# KiCad board FD.02-01-2021.kicad_pcb (continued)
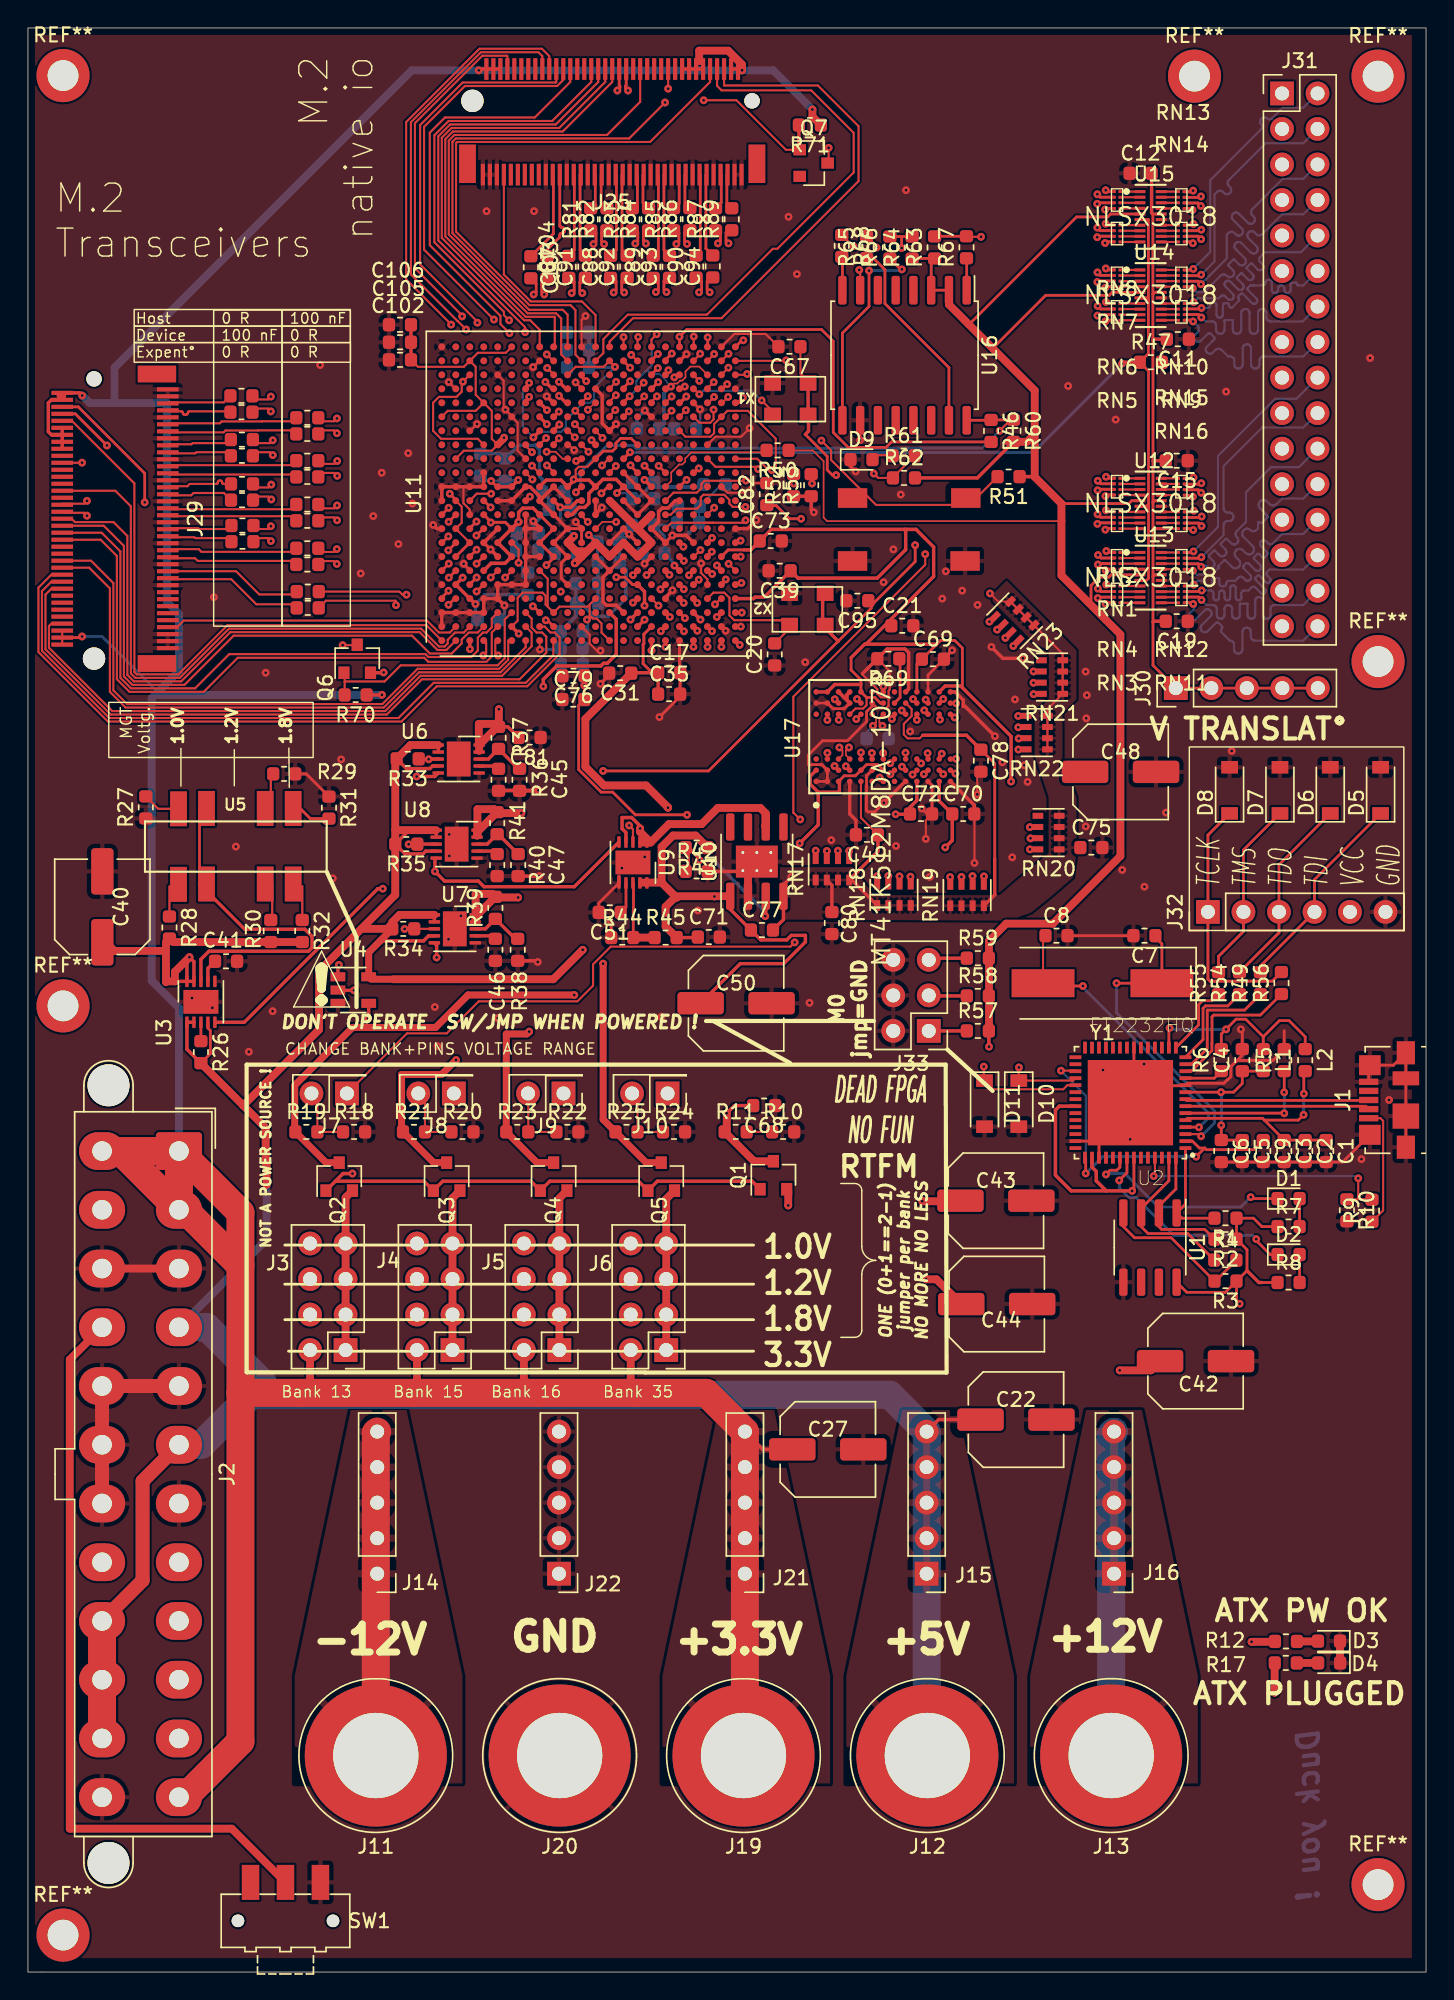
[diagram p0: board, top side]
## Routing (per net, layer and track width the routed paths; a pad name or vN(x,y) marks a point on that pad's centre or on a via; arc(x,y) is an arc through that point) (continued)
FLASH_CONFIG_CLK: length 37.7
  Top w0.15: 70.29,110.99 v1(69.5,110.2)
  Top w0.2: U16.16 68.47,110.95 ; 68.5,110.97 70.09,110.97
  Top w0.21: U11.L12 v1(39.2,105.8)
  B.Cu_GND_DDR w0.15: v1(69.5,110.2) 68.25,108.95 68.05,108.95
  B.Cu_GND_DDR w0.2: 68.05,108.95 43.48,108.95 43.29,109.14 43.05,109.14
  B.Cu_GND_DDR w0.21: 43.05,109.14 41.41,109.14 39.37,107.1 39.52,106.95 39.52,106.12 v1(39.2,105.8)
FLASH_CONFIG_CS: length 27.3
  Top w0.15: v1(59.46,121.7) 59.53,121.63 U16.7
  Top w0.21: v1(45.08,113.68) U11.T19
  In2.Cu_SigDDR w0.15: v1(59.46,121.7) 59.46,119.57 58.51,118.62 52.01,118.62 52.01,118.63 46.79,118.63 45.45,117.29 45.45,116.91 44.6,116.06 44.6,115.57 43.29,114.25 42.79,114.25 42.61,114.07 42.61,113.52 42.95,113.18 44.58,113.18 v1(45.08,113.68)
FLASH_CONFIG_IO_0: length 23.3
  Top w0.15: v1(60.7,123.3) 60.7,123.41 R65.2 ; U11.P22 v1(42.6,116.9)
  In2.Cu_SigDDR w0.15: v1(60.7,123.3) 60.03,123.3 55.85,119.12 52.22,119.12 52.22,119.13 45.97,119.13 44.26,117.42 44.26,116.85 43.87,116.45 43.05,116.45 v1(42.6,116.9)
FLASH_CONFIG_IO_1: length 20.1
  Top w0.15: R68.1 59.02,123.4 v1(59.05,123.4) ; v1(43.65,116.91) 43.6,116.86 U11.R22
  In2.Cu_SigDDR w0.15: v1(43.65,116.91) 43.65,117.16 45.86,119.38 54.57,119.38 58.59,123.4 v1(59.05,123.4)
FLASH_CONFIG_IO_2: length 26.7
  Top w0.2: R64.2 62.5,124.09 ; 62.5,124.09 62.49,124.08 v1(62.49,123.26) ; 62.5,124.09 R66.2 ; 42.6,115.18 v1(43.07,114.71)
  In2.Cu_SigDDR w0.15: v1(43.07,114.71) 43.61,115.25 43.61,115.61 44.51,116.51 44.51,117.32 46.07,118.88 52.11,118.88 52.12,118.87 55.96,118.87 59.24,122.16 60.39,122.16 61.49,123.26 v1(62.49,123.26)
FLASH_CONFIG_IO_3: length 32.4
  Top w0.15: v1(68.17,124.07) 67.17,124.07 ; 43.58,115.2 v1(43.15,115.63)
  Top w0.2: R67.2 64.86,124.11
  In4.Cu_SigDDR w0.15: v1(68.17,124.07) 62.33,118.23 46.77,118.23 44.26,115.72 43.24,115.72 v1(43.15,115.63)
FPGA-CLK-100: length 6.6
  Top w0.15: 47.63,113.2 v1(48.02,112.81) ; 53.35,111.5 v1(52.48,112.37)
  B.Cu_GND_DDR w0.15: v1(48.02,112.81) 48.28,113.07 51.78,113.07 v1(52.48,112.37)
FPGA_SER_RX: length 82.6
  Top w0.15: U2.33 74.35,63.41 74.05,63.11 69.05,63.11 D11.1 ; 41.6,107.23 v1(42.05,107.68) ; v1(68.37,64.74) 68.37,63.79
  In4.Cu_SigDDR w0.15: v1(42.05,107.68) 42.57,108.2 43.58,108.2 43.84,108.47 60.35,108.47 69.64,99.18 69.64,98.34 71.95,96.03 74.18,96.03 76.95,93.26 76.95,73.88 69.2,66.13 69.2,65.57 v1(68.37,64.74)
FPGA_SER_TX: length 82.6
  Top w0.15: 41.54,108.2 v1(41.06,107.72) ; v1(70.88,64.68) 70.87,64.67 D10.1 74.75,63.74 U2.32
  In4.Cu_SigDDR w0.15: v1(70.88,64.68) 70.88,67.14 77.41,73.67 77.41,95.29 76.17,96.53 72.05,96.53 69.89,98.69 69.89,99.86 60.96,108.79 44.54,108.79 44.03,109.31 43.52,109.31 43.32,109.12 42.46,109.12 v1(41.06,107.72)
FPGA_TDCLK: length 10.6
  Top w0.2: U2.12 83.22,64.41 84.68,65.87 84.68,66.38 84.69,66.39 84.69,68.3 84.82,68.43 88.16,68.43 89.66,69.92
FPGA_TDI: length 9
  Top w0.2: R49.1 87.02,68.78 84.35,68.78 84.35,66.03 83.23,64.91 U2.13
FPGA_TDO: length 7
  Top w0.2: R54.1 85.82,69.08 84.23,69.08 84.05,68.9 84.05,66.67 U2.14
FPGA_TMS: length 5.5
  Top w0.2: R55.1 84.69,69.45 84.02,69.45 83.73,69.16 83.73,67.72 U2.15
M20_MFG_CLK: length 48.6
  Top w0.15: U11.G3 36.03,96.77 36.03,96.13 36.38,95.77 36.78,95.77 37.08,95.47 37.08,94.34 35.16,92.43 28.18,92.43 25.66,89.91 5.92,89.91 1.25,94.58 1.25,98.48 1.68,98.91 J29.58
M20_MFG_DATA: length 47.5
  Top w0.15: J29.56 1.68,99.41 1,98.73 1,94.48 5.82,89.66 26.5,89.66 29.02,92.18 35.61,92.18 37.58,94.15 37.58,95.18
M20_NPLN: length 41.8
  Top w0.2: v1(36.11,97.65) 36.15,97.65 U11.H3 ; J29.8 3.39,111.41 v1(5.65,109.15)
  In2.Cu_SigDDR w0.2: v1(5.65,109.15) 14.77,100.03 18.06,100.03 21.23,96.86 27.38,96.86 28.77,95.47 33.93,95.47 v1(36.11,97.65)
M20_P0R_N: length 4.4
  Top w0.15: J29.41 10.07,103.23 12.17,103.23 12.24,103.17 14.3,103.17
M20_P0R_P: length 4.4
  Top w0.15: J29.43 10.07,102.59 11.91,102.59 11.97,102.52 14.3,102.52
M20_P0T_N: length 9
  Top w0.15: 18.94,101.54 12.41,101.54 12.22,101.73 10.07,101.73 J29.47
M20_P0T_P: length 9
  Top w0.15: 18.94,100.89 12.14,100.89 11.95,101.09 10.07,101.09 J29.49
M20_P1R_N: length 4.9
  Top w0.15: J29.29 10.07,106.23 11.41,106.23 11.57,106.4 13.46,106.4 13.49,106.4 13.52,106.41 13.54,106.43 13.56,106.44 13.57,106.47 13.58,106.49 13.59,106.54 13.59,106.57 13.61,106.59 13.63,106.61 13.65,106.62 13.67,106.63 13.7,106.64 13.76,106.64 13.79,106.63 13.82,106.62 13.84,106.61 13.86,106.59 13.87,106.57 13.88,106.54 13.89,106.49 13.89,106.47 13.91,106.44 13.93,106.43 13.95,106.41 13.97,106.4 14,106.4 R76.2
M20_P1R_P: length 4.8
  Top w0.15: R75.2 14.01,105.75 11.84,105.75 11.67,105.59 10.07,105.59 J29.31
M20_P1T_N: length 9.3
  Top w0.15: C60.2 18.85,104.59 10.07,104.59
M20_P1T_P: length 8.8
  Top w0.15: 10.07,104.09 18.87,104.09
M20_P2R_N: length 4.3
  Top w0.15: 14.26,109.32 11.78,109.32 11.7,109.23 10.07,109.23 J29.17
M20_P2R_P: length 4.3
  Top w0.15: 14.26,108.67 12.04,108.67 11.96,108.59 10.07,108.59 J29.19
M20_P2T_N: length 8.9
  Top w0.15: J29.23 10.08,107.74 18.87,107.74
M20_P2T_P: length 9.1
  Top w0.15: 19.02,107.07 10.09,107.07 J29.25
M20_P3R_N: length 4.6
  Top w0.15: R80.2 14.02,112.23 10.07,112.23
M20_P3R_P: length 4.6
  Top w0.15: 10.07,111.59 10.96,111.59 10.99,111.59 11.01,111.58 11.03,111.56 11.05,111.55 11.07,111.52 11.07,111.5 11.08,111.45 11.09,111.42 11.1,111.4 11.12,111.38 11.14,111.37 11.17,111.36 11.2,111.35 11.31,111.35 11.34,111.36 11.36,111.37 11.38,111.38 11.4,111.4 11.42,111.42 11.42,111.45 11.43,111.5 11.44,111.52 11.45,111.55 11.47,111.56 11.49,111.58 11.52,111.59 11.55,111.59 14.42,111.59
M20_P3T_N: length 9
  Top w0.15: J29.11 10.07,110.73 13.72,110.73 13.86,110.87 16.74,110.87 16.75,110.88 18.94,110.88
M20_P3T_P: length 9
  Top w0.15: 18.94,110.23 16.48,110.23 16.47,110.22 14.13,110.22 13.99,110.09 10.07,110.09 J29.13
M20_PCLK0_N: length 9.7
  Top w0.15: 19.03,98.5 16.54,98.5 14.88,100.16 J29.53
M20_PCLK0_P: length 9.6
  Top w0.15: 18.97,97.79 16.33,97.79 14.54,99.59 10.07,99.59
M20_PCLK0F_N: length 18.1
  Top w0.15: v1(27.07,98.48) 26.78,98.48 26.56,98.7 C63.1
  Top w0.16: 33.59,100.2 v1(33.1,99.71)
  In2.Cu_SigDDR w0.1: v1(27.07,98.48) 27.07,97.94 28.83,96.19 32.79,96.19 33.47,96.87 33.47,97.26 33.35,97.38 33.35,98.04 33.47,98.16 33.47,99.34 v1(33.1,99.71)
M20_PCLK0F_P: length 18.5
  Top w0.15: C57.1 21.31,98.05 26.3,98.05 26.32,98.02 v1(26.32,97.73)
  Top w0.16: 34.6,100.17 v1(34.13,99.7)
  In2.Cu_SigDDR w0.1: v1(34.13,99.7) 33.77,99.34 33.77,98.03 33.65,97.92 33.65,97.5 33.77,97.39 33.77,96.75 32.91,95.89 28.7,95.89 26.86,97.73 v1(26.32,97.73)
M20_PDIS: length 44.1
  Top w0.2: U11.J2 37.15,96.65 v1(37.04,96.65) ; v1(8.35,105.08) 8.35,107.16 3.6,111.91 J29.6
  In2.Cu_SigDDR w0.2: v1(8.35,105.08) 16.87,96.56 27.26,96.56 28.67,95.15 35.54,95.15 v1(37.04,96.65)
M20_PE_DAS_MGT: length 43.8
  Top w0.15: U11.A1 28.5,96.3 14.27,96.3 10.75,92.78 7.78,92.78 7.61,92.95 7.61,106.44 3.14,110.91
M20_PE_DEVSLP_MGT: length 40.4
  Top w0.15: 3.12,103.91 3.36,103.67 6.12,103.67 7.11,102.68 7.11,92.75 7.57,92.28 10.96,92.28 14.48,95.8 28.02,95.8 29.29,94.52 29.92,94.52 U11.B1
M20_PE_NCLKREQ_MGT: length 43.9
  Top w0.15: J29.52 4.38,100.41 5.86,98.93 5.86,91.54 6.99,90.41 25.45,90.41 27.97,92.93 33.81,92.93 35.6,94.72 U11.G1
M20_PE_NRST_MGT: length 43.6
  Top w0.15: J29.50 4.51,100.91 6.11,99.31 6.11,91.64 7.09,90.66 25.35,90.66 27.87,93.18 33.7,93.18 34.35,93.83 34.35,95.2 U11.F1
M20_PE_NWAKE_MGT: length 51
  Top w0.15: J29.54 1.68,99.91 0.75,98.98 0.75,94.38 5.72,89.41 26.72,89.41 29.24,91.93 35.71,91.93 38.03,94.24 38.03,95.42 37.68,95.77 37.38,95.77 36.95,96.2 U11.H2
M20_PE_PEDET_MGT: length 20.7
  Top w0.15: U11.B2 30.17,95.77 29.4,95.77 28.54,96.63 11.14,96.63 10.67,96.16
M20_PE_SUSCLK_MGT: length 42.5
  Top w0.15: J29.68 1.68,96.41 1.5,96.23 1.5,94.69 6.03,90.16 25.56,90.16 28.08,92.68 33.91,92.68 36.03,94.8 36.03,95.77 U11.G2
M20_PLAS3: length 44.4
  Top w0.15: U11.C2 31.17,95.77 30.55,95.77 30.03,95.25 30.03,95 29.8,94.77 29.4,94.77 28.12,96.05 14.37,96.05 10.86,92.53 7.67,92.53 7.36,92.85 7.36,104.8 6.25,105.91 J29.30
M20_PRX0_N: length 22.8
  Top w0.15: v1(17.37,112.64) 17.17,112.44 16.32,112.44
  Top w0.2: 31.6,103.23 v1(32.08,103.71)
  In2.Cu_SigDDR w0.1: v1(17.37,112.64) 17.75,112.27 26.85,112.27 31.93,107.19 31.93,104.85 31.94,104.81 31.95,104.76 31.97,104.73 32.01,104.69 32.04,104.67 32.09,104.66 32.13,104.65 32.22,104.65 32.27,104.64 32.31,104.63 32.35,104.61 32.38,104.57 32.4,104.54 32.42,104.49 32.42,104.45 32.42,104.41 32.4,104.36 32.38,104.33 32.35,104.29 32.31,104.27 32.27,104.26 32.22,104.25 32.13,104.25 32.09,104.24 32.04,104.23 32.01,104.21 31.97,104.17 31.95,104.14 31.94,104.09 31.93,104.05 31.93,103.86 v1(32.08,103.71)
M20_PRX0_P: length 22.8
  Top w0.15: v1(17.37,111.58) 17.17,111.79 16.32,111.79
  Top w0.2: 32.57,103.2 v1(32.08,102.71)
  In2.Cu_SigDDR w0.1: v1(32.08,102.71) 31.65,103.14 31.65,107.05 26.74,111.96 17.75,111.96 v1(17.37,111.58)
M20_PRX1_N: length 16.8
  Top w0.15: v1(17.51,109.52) 17.31,109.32 16.34,109.32
  Top w0.2: 29.61,104.21 v1(30.09,104.69)
  In2.Cu_SigDDR w0.1: v1(30.09,104.69) 29.51,104.69 29.49,104.71 29.48,104.74 29.47,104.77 29.47,104.81 29.48,104.84 29.49,104.86 29.53,104.91 29.55,104.94 29.55,104.97 29.55,105 29.55,105.04 29.53,105.06 29.51,105.09 29.5,105.1 29.48,105.12 29.45,105.13 29.42,105.14 29.39,105.14 29.36,105.13 29.33,105.12 29.28,105.08 29.25,105.07 29.22,105.06 29.19,105.06 29.16,105.07 29.13,105.08 29.1,105.1 25.06,109.14 17.89,109.14 v1(17.51,109.52)
M20_PRX1_P: length 16.8
  Top w0.15: 16.34,108.67 17.31,108.67 v1(17.51,108.46)
  Top w0.2: 30.58,104.18 v1(30.09,103.69)
  In2.Cu_SigDDR w0.1: v1(30.09,103.69) 24.94,108.84 17.89,108.84 v1(17.51,108.46)
M20_PRX2_N: length 19.6
  Top w0.15: 16.35,106.15 17.2,106.15 v1(17.4,106.35)
  Top w0.16: v1(33.13,105.7) 32.1,105.7 U11.C11
  In4.Cu_SigDDR w0.1: v1(17.4,106.35) 17.68,106.07 24.81,106.07 25.6,106.86 31.37,106.86 32.53,105.7 v1(33.13,105.7)
  In4.Cu_SigDDR w0.15: 33.03,105.7 v1(33.13,105.7)
M20_PRX2_P: length 18.7
  Top w0.15: 16.35,105.5 17.2,105.5 v1(17.4,105.29)
  Top w0.2: 32.61,105.2 v1(33.09,104.72)
  In4.Cu_SigDDR w0.1: v1(33.09,104.72) 32.94,104.72 31.19,106.47 25.8,106.47 24.62,105.29 v1(17.4,105.29)
M20_PRX3_N: length 14.8
  Top w0.15: 17.17,103.17 v1(17.38,103.38) ; 16.38,103.17 17.17,103.17
  Top w0.2: 29.59,102.17 v1(30.07,102.65)
  In4.Cu_SigDDR w0.1: v1(30.07,102.65) 29.49,102.65 29.15,103 17.75,103 v1(17.38,103.38)
M20_PRX3_P: length 15.1
  Top w0.15: 17.17,102.52 v1(17.38,102.31) ; 16.38,102.52 17.17,102.52
  Top w0.2: 30.56,102.14 v1(30.07,101.65)
  In4.Cu_SigDDR w0.1: v1(30.07,101.65) 29.03,102.69 17.75,102.69 v1(17.38,102.31)
M20_PTX0F_N: length 18.5
  Top w0.15: v1(22.1,111.08) 21.89,110.88 21.02,110.88
  Top w0.2: 31.61,101.22 v1(32.09,101.7)
  In2.Cu_SigDDR w0.1: v1(22.1,111.08) 26.82,111.08 31.07,106.83 31.08,106.82 31.1,106.81 31.12,106.81 31.13,106.81 31.15,106.81 31.17,106.82 31.19,106.84 31.21,106.85 31.23,106.86 31.24,106.86 31.26,106.85 31.28,106.84 31.29,106.83 31.32,106.8 31.33,106.79 31.34,106.77 31.34,106.76 31.34,106.74 31.34,106.72 31.33,106.71 31.31,106.68 31.3,106.66 31.3,106.64 31.3,106.63 31.3,106.61 31.31,106.59 31.32,106.58 31.45,106.45 31.45,102.02 31.77,101.7 v1(32.09,101.7)
M20_PTX0F_P: length 18.5
  Top w0.15: v1(22.1,110.02) 21.89,110.23 21.02,110.23
  Top w0.2: 32.58,101.19 v1(32.09,100.7)
  In2.Cu_SigDDR w0.1: v1(32.09,100.7) 31.15,101.64 31.15,106.33 27.45,110.02 v1(22.1,110.02)
M20_PTX1F_N: length 14.2
  Top w0.15: 21.04,107.84 21.91,107.84 v1(22.12,108.04)
  Top w0.2: 29.62,100.22 v1(30.1,100.7)
  In2.Cu_SigDDR w0.1: v1(30.1,100.7) 30.04,100.7 29.81,100.92 29.8,100.94 29.79,100.96 29.79,100.98 29.79,101.01 29.79,101.03 29.8,101.05 29.81,101.07 29.84,101.09 29.86,101.11 29.87,101.13 29.87,101.15 29.87,101.18 29.87,101.2 29.86,101.22 29.84,101.24 29.82,101.25 29.8,101.26 29.78,101.26 29.76,101.26 29.74,101.26 29.72,101.25 29.7,101.24 29.55,101.09 29.54,101.08 29.53,101.07 29.51,101.07 29.5,101.07 29.48,101.07 29.47,101.08 29.46,101.09 29.41,101.13 29.4,101.14 29.4,101.16 29.39,101.17 29.39,101.19 29.4,101.2 29.4,101.22 29.41,101.23 29.59,101.41 29.61,101.43 29.62,101.45 29.62,101.47 29.62,101.49 29.62,101.52 29.61,101.54 29.59,101.55 29.58,101.57 29.56,101.58 29.54,101.58 29.51,101.58 29.49,101.58 29.47,101.57 29.45,101.55 29.27,101.37 29.26,101.36 29.24,101.35 29.23,101.35 29.21,101.35 29.2,101.35 29.18,101.36 29.17,101.37 29.13,101.41 29.12,101.43 29.11,101.44 29.11,101.46 29.11,101.47 29.11,101.49 29.12,101.5 29.14,101.52 29.15,101.54 29.15,101.55 29.15,101.57 29.15,101.58 29.14,101.6 29.13,101.61 23.08,107.66 22.5,107.66 v1(22.12,108.04)
  In2.Cu_SigDDR w0.15: v1(30.1,100.7) 30.02,100.7
M20_PTX1F_P: length 13.4
  Top w0.15: v1(22.12,106.98) 21.91,107.19 21.04,107.19
  Top w0.2: 30.59,100.19 v1(30.1,99.7)
  In2.Cu_SigDDR w0.1: v1(30.1,99.7) 29.67,100.13 29.67,100.57 22.89,107.35 22.49,107.35 v1(22.12,106.98)
M20_PTX2F_N: length 15.1
  Top w0.15: v1(22.11,104.86) 21.91,104.66 21.03,104.66
  Top w0.2: 31.61,99.23 v1(32.09,99.71)
  In2.Cu_SigDDR w0.1: v1(32.09,99.71) 32.09,99.39 31.41,98.71 30.77,98.71 30.29,99.19 27.78,99.19 v1(22.11,104.86)
  In4.Cu_SigDDR w0.15: 32.01,99.71 v1(32.09,99.71)
M20_PTX2F_P: length 14.3
  Top w0.15: v1(22.11,103.8) 21.91,104 21.03,104
  Top w0.2: 32.58,99.2 v1(32.09,98.71)
  In2.Cu_SigDDR w0.1: v1(22.11,103.8) 22.75,103.8 27.97,98.58 29.65,98.58 29.9,98.33 31.71,98.33 v1(32.09,98.71)
M20_PTX3F_N: length 11.1
  Top w0.15: 21.01,101.53 21.88,101.53 v1(22.09,101.74)
  Top w0.2: 29.6,98.28 v1(30.08,98.76)
  In4.Cu_SigDDR w0.1: v1(22.09,101.74) 22.47,101.36 26.9,101.36 29.5,98.76 v1(30.08,98.76)
M20_PTX3F_P: length 11.4
  Top w0.15: 21.01,100.88 21.88,100.88 v1(22.09,100.68)
  Top w0.2: 30.57,98.25 v1(30.08,97.76)
  In4.Cu_SigDDR w0.1: v1(30.08,97.76) 26.78,101.06 22.47,101.06 v1(22.09,100.68)
M20_SMB_CLK: length 43.3
  Top w0.15: J29.40 5.42,103.41 6.86,101.97 6.86,92.64 7.47,92.03 11.19,92.03 14.71,95.55 27.47,95.55 28.75,94.27 30.3,94.27 31.03,95 31.03,95.27 31.53,95.77 32.17,95.77 U11.D2
M20_SMB_DATA: length 44.4
  Top w0.15: J29.42 5.27,102.91 6.61,101.57 6.61,92.54 7.36,91.78 11.95,91.78 14.4,94.23 28.44,94.23 28.64,94.02 31.72,94.02 32.17,94.48 32.17,95.4 32.54,95.77 32.8,95.77 33.17,96.15 33.17,96.77 U11.E3
M20_SMB_NALERT: length 44
  Top w0.15: U11.E2 33.17,95.77 33.17,94.07 32.79,93.68 28.63,93.68 28.34,93.97 15.01,93.97 12.57,91.53 7.26,91.53 6.36,92.43 6.36,101.25 5.2,102.41 J29.44
M20_USBD_N: length 39.2
  Top w0.15: v1(4.22,105.19) 4.01,104.98 2.53,104.98 J29.34 ; v1(32.57,94.13) 32.78,94.34 32.78,95.03 U11.D1
  In2.Cu_SigDDR w0.15: v1(32.57,94.13) 9.89,94.13 8.37,95.65 8.37,101.05 v1(4.22,105.19)
M20_USBD_P: length 40.4
  Top w0.15: v1(33.63,94.13) 33.43,94.34 33.43,95.03 U11.E1 ; v1(4.22,104.13) 4.01,104.34 2.53,104.34 J29.36
  In2.Cu_SigDDR w0.15: v1(4.22,104.13) 4.36,104.13 7.72,100.78 7.72,95.39 9.62,93.48 32.98,93.48 v1(33.63,94.13)
M20_VIO: length 28.3
  Top w0.15: v1(3.87,107.92) 3.86,107.91 J29.22 ; v1(22.51,94.87) 23.52,94.87
  In2.Cu_SigDDR w0.15: v1(22.51,94.87) 13.89,94.87 8.95,99.81 8.95,102.84 v1(3.87,107.92)
M20_VIO_Q: length 17.2
  Top w0.15: U11.F3 34.1,96.7 34.1,93.93 33.6,93.43 26.66,93.43 25.5,92.27 22.69,92.27 22.65,92.23 ; 22.65,92.23 22.65,92.85 ; 22.65,92.23 R70.2
M22_MFG_CLK: length 40.7
  Top w0.15: 36.6,109.22 v1(37.06,109.68) ; J25.58 36.79,136.99 36.51,137.27 32.4,137.27 27.39,132.26 27.39,121.38 30.73,118.04 30.74,118.04 v1(31.34,117.44)
  In4.Cu_SigDDR w0.15: v1(37.06,109.68) 37.06,109.98 36.72,110.31 35.81,110.31 35.14,110.98 35.14,114.36 32.06,117.44 v1(31.34,117.44)
M22_MFG_DATA: length 43.1
  Top w0.15: J25.56 37.29,136.99 36.76,137.52 32.29,137.52 27.05,132.27 27.05,121.02 30.25,117.82 30.25,117.81 v1(30.27,117.79) ; 35.6,109.12 v1(36.05,108.67)
  In2.Cu_SigDDR w0.15: v1(36.05,108.67) 35.69,109.03 35.69,110.43 35.57,110.55 35.57,110.99 35.76,111.17 35.09,111.84 35.09,115.31 33.38,117.02 31.59,117.02 31.56,116.98 31.08,116.98 v1(30.27,117.79)
M22_NPLN: length 38.9
  Top w0.15: U11.N22 41.6,116.57 43.28,118.25 49.61,118.25 59.41,128.05 59.41,131.98 56.5,134.89 49.79,134.89 J25.6
M22_P0R_N: length 2.5
  Top w0.2: 41,128.47 41,126.52 R82.2
M22_P0R_P: length 2.5
  Top w0.2: 40.58,128.47 40.58,126.44 40.25,126.1
M22_P0T_N: length 6
  Top w0.2: C91.2 39.49,123.1 39.49,128.47 J25.47
M22_P0T_P: length 5.9
  Top w0.2: C87.2 39.08,123.11 39.08,128.47
M22_P1R_N: length 2.6
  Top w0.2: J25.29 43.99,128.47 43.99,126.51 R84.2
M22_P1R_P: length 2.6
  Top w0.2: 43.23,126.1 43.59,126.47 43.59,128.47 J25.31
M22_P1T_N: length 6
  Top w0.2: J25.35 42.49,128.47 42.49,123.09 C92.2
M22_P1T_P: length 6
  Top w0.2: C88.2 42.09,123.13 42.09,128.47 J25.37
M22_P2R_N: length 2.6
  Top w0.2: J25.17 46.99,128.47 46.99,126.52 47.39,126.12
M22_P2R_P: length 2.5
  Top w0.2: 46.58,128.47 46.58,126.47 46.23,126.12
M22_P2T_N: length 6
  Top w0.2: C93.2 45.49,123.11 45.49,128.47 J25.23
M22_P2T_P: length 6
  Top w0.2: C89.2 45.09,123.08 45.09,128.47 J25.25
M22_P3R_N: length 2.6
  Top w0.2: J25.5 49.99,128.47 49.99,126.46 R89.2
M22_P3R_P: length 2.6
  Top w0.2: R87.2 49.59,126.52 49.59,128.47 J25.7
M22_P3T_N: length 6
  Top w0.2: J25.11 48.49,128.47 48.49,123.23 C94.2
M22_P3T_P: length 5.5
  Top w0.2: 48.09,122.99 48.09,128.47 J25.13
M22_PCLK0_N: length 6.6
  Top w0.2: C104.1 37.13,123.14 38.04,124.05 38.04,124.17 38.04,124.21 38.06,124.24 38.08,124.27 38.1,124.3 38.13,124.32 38.17,124.33 38.24,124.34 38.27,124.35 38.3,124.37 38.33,124.39 38.35,124.43 38.36,124.46 38.37,124.5 38.37,124.57 38.36,124.61 38.35,124.64 38.33,124.67 38.3,124.7 38.27,124.72 38.24,124.73 38.17,124.74 38.13,124.75 38.1,124.77 38.08,124.79 38.06,124.83 38.04,124.86 38.04,124.9 J25.53
M22_PCLK0_P: length 6.5
  Top w0.2: C103.1 37.58,124.29 37.58,128.47
M22_PCLK0F_N: length 8.2
  Top w0.15: 37.57,115.2 v1(37.11,115.66)
  Top w0.2: C104.2 36.75,120.72 36.75,120.13 v1(36.93,119.95)
  In2.Cu_SigDDR w0.1: v1(36.93,119.95) 36.93,119.64 37.59,118.98 37.59,117.46 37.6,117.39 37.62,117.33 37.66,117.27 37.7,117.23 37.76,117.19 37.82,117.17 37.89,117.16 38.25,117.16 38.32,117.15 38.38,117.13 38.44,117.09 38.49,117.05 38.52,116.99 38.54,116.93 38.55,116.86 38.54,116.79 38.52,116.73 38.49,116.67 38.44,116.63 38.38,116.59 38.32,116.57 38.25,116.56 37.89,116.56 37.82,116.55 37.76,116.53 37.7,116.49 37.66,116.45 37.62,116.39 37.6,116.33 37.59,116.26 37.59,116.14 v1(37.11,115.66)
M22_PCLK0F_P: length 8.2
  Top w0.15: 37.6,114.23 v1(37.14,114.69)
  Top w0.2: v1(36.17,119.95) 36.35,120.13 36.35,120.72 C103.2
  In2.Cu_SigDDR w0.1: v1(36.17,119.95) 37.29,118.83 37.29,116.48 36.68,115.87 36.68,115.48 37.14,115.02 v1(37.14,114.69)
M22_PDIS: length 39.8
  Top w0.15: J25.8 49.29,134.86 49.61,134.54 56.02,134.54 59.06,131.5 59.06,128.67 53.6,123.21 53.27,123.21 48.56,118.5 42.9,118.5 41.16,116.75 41.16,115.75 U11.M21
M22_PE_DAS_MGT: length 41.9
  Top w0.15: U11.L21 39.16,115.64 39.16,118.83 38.81,119.18 35.88,119.18 30.62,124.44 30.62,130.76 30.71,130.85 44.5,130.85 48.79,135.14 J25.10
M22_PE_DEVSLP_MGT: length 33.8
  Top w0.15: 37.68,116.28 37.68,118.34 37.67,118.35 35.6,118.35 29.85,124.1 29.85,131.05 30.4,131.6 38.25,131.6 41.79,135.14 J25.38
M22_PE_NCLKREQ_MGT: length 37.8
  Top w0.15: v1(33.33,118.15) 28.33,123.15 28.33,131.93 31.25,134.85 37.85,134.85 38.29,135.29 J25.52
  Top w0.244: 36.6,111.18 v1(37.11,110.67)
  In4.Cu_SigDDR w0.15: v1(33.33,118.15) 33.33,117.62 35.67,115.27 35.67,114.53 36.19,114.02 36.31,114.02 36.31,114.02 36.3,114.01 36.3,111.48 v1(37.11,110.67)
M22_PE_NRST_MGT: length 38.3
  Top w0.15: J25.50 38.79,135.14 36.25,132.6 29.83,132.6 28.74,131.51 28.74,123.47 33.79,118.42 33.79,117.83 v1(34.44,117.18)
  Top w0.244: 37.6,110.24 v1(38.01,110.65)
  In2.Cu_SigDDR w0.15: v1(34.44,117.18) 34.75,117.18 35.67,116.26 35.67,114.53 36.43,113.77 36.43,111.69 37,111.13 37.53,111.13 v1(38.01,110.65)
M22_PE_NWAKE_MGT: length 35.2
  Top w0.15: v1(32.15,117.93) 32.15,118 28.05,122.1 28.05,132.06 31.09,135.1 37.75,135.1 37.79,135.14 J25.54
  Top w0.2: v1(35.85,112.62) 35.6,112.37 U11.G18
  In4.Cu_SigDDR w0.15: v1(32.15,117.93) 35.42,114.65 35.42,114.43 35.39,114.4 35.39,113.08 v1(35.85,112.62)
M22_PE_PEDET_MGT: length 17.2
  Top w0.15: U11.M22 40.6,118.47 39.62,119.45 35.96,119.45 34.04,121.37 J25.69
M22_PE_SUSCLK_MGT: length 38
  Top w0.15: 31.09,118.41 31.1,118.41 ; 31.09,118.41 27.68,121.82 27.68,132.2 32.5,137.02 34.26,137.02 34.29,136.99 J25.68 ; 31.09,118.41 31.09,118.41 v1(31.05,118.38) ; 37.6,109.28 v1(37.98,109.66)
  In2.Cu_SigDDR w0.15: v1(37.98,109.66) 37.43,110.21 36.89,110.21 36.49,110.62 36.49,110.99 36.25,111.23 36.18,111.23 35.34,112.07 35.34,115.41 32.37,118.38 31.06,118.38 v1(31.05,118.38)
M22_PLAS3: length 37.6
  Top w0.15: J25.30 43.79,133.72 41.42,131.35 30.5,131.35 30.1,130.95 30.1,124.24 35.74,118.6 37.77,118.6 38.14,118.23 38.14,115.66 U11.K21
M22_PRX0_N: length 23.2
  Top w0.15: 39.6,109.19 v1(40.09,108.7)
  Top w0.2: 50.31,124.76 49.93,124.38 49.93,123.78 v1(50.11,123.6)
  In4.Cu_SigDDR w0.1: v1(50.11,123.6) 50.11,122.93 45.31,118.13 42.18,118.13 40.78,116.73 40.78,110.66 39.87,109.75 39.87,108.92 v1(40.09,108.7)
M22_PRX0_P: length 23.4
  Top w0.12: U11.L14 39.37,108.2
  Top w0.2: 49.53,124.38 49.53,123.78 v1(49.35,123.6)
  In4.Cu_SigDDR w0.1: v1(49.35,123.6) 49.35,122.59 45.19,118.43 42.05,118.43 40.48,116.86 40.48,114.3 40.48,114.29 40.48,114.28 40.47,114.27 40.46,114.26 40.45,114.25 40.44,114.25 40.42,114.25 40.41,114.25 40.4,114.24 40.39,114.23 40.38,114.22 40.38,114.21 40.38,114.2 40.38,113.85 40.38,113.84 40.38,113.83 40.39,113.82 40.4,113.81 40.41,113.8 40.42,113.8 40.44,113.8 40.45,113.8 40.46,113.79 40.47,113.78 40.48,113.77 40.48,113.76 40.48,113.75 40.48,113.4 40.48,113.39 40.48,113.38 40.47,113.37 40.46,113.36 40.45,113.35 40.44,113.35 40.42,113.35 40.41,113.35 40.4,113.34 40.39,113.33 40.38,113.32 40.38,113.31 40.38,113.3 40.38,112.95 40.38,112.94 40.38,112.93 40.39,112.92 40.4,112.91 40.41,112.9 40.42,112.9 40.44,112.9 40.45,112.9 40.46,112.89 40.47,112.88 40.48,112.87 40.48,112.86 40.48,112.85 40.48,112.45 40.48,112.44 40.48,112.43 40.47,112.42 40.46,112.41 40.45,112.4 40.44,112.4 40.42,112.4 40.41,112.4 40.4,112.39 40.39,112.38 40.38,112.37 40.38,112.36 40.38,112.35 40.38,112 40.38,111.99 40.38,111.98 40.39,111.97 40.4,111.96 40.41,111.95 40.42,111.95 40.44,111.95 40.45,111.95 40.46,111.94 40.47,111.93 40.48,111.92 40.48,111.91 40.48,111.9 40.48,111.45 40.48,111.42 40.47,111.4 40.46,111.38 40.44,111.37 40.42,111.36 40.4,111.35 40.36,111.35 40.34,111.34 40.32,111.33 40.31,111.31 40.29,111.29 40.29,111.27 40.28,111.25 40.28,111 40.29,110.97 40.29,110.95 40.31,110.93 40.32,110.92 40.34,110.91 40.36,110.9 40.4,110.9 40.42,110.89 40.44,110.88 40.46,110.86 40.47,110.84 40.48,110.82 40.48,110.8 39.56,109.88 39.56,108.39 v1(39.21,108.04)
  In4.Cu_SigDDR w0.12: v1(39.21,108.04) 39.33,108.16
M22_PRX1_N: length 19.6
  Top w0.15: 38.64,110.2 v1(39.11,109.73)
  Top w0.2: 47.34,124.72 46.96,124.34 46.96,123.74 v1(47.14,123.56)
  In2.Cu_SigDDR w0.1: v1(39.11,109.73) 39.48,110.1 40.18,110.1 40.85,110.77 40.85,116.67 47.14,122.96 v1(47.14,123.56)
M22_PRX1_P: length 19.6
  Top w0.15: 39.59,110.2 v1(39.12,110.67)
  Top w0.2: v1(46.38,123.56) 46.56,123.74 46.56,124.34 46.18,124.72
  In2.Cu_SigDDR w0.1: v1(46.38,123.56) 46.61,123.33 46.61,122.86 40.55,116.8 40.55,113.73 40.55,113.7 40.54,113.68 40.53,113.66 40.51,113.65 40.49,113.64 40.47,113.63 40.43,113.63 40.41,113.62 40.39,113.61 40.38,113.59 40.36,113.57 40.36,113.55 40.35,113.53 40.35,113.48 40.36,113.45 40.36,113.43 40.38,113.41 40.39,113.4 40.41,113.39 40.43,113.38 40.47,113.38 40.49,113.37 40.51,113.36 40.53,113.34 40.54,113.32 40.55,113.3 40.55,113.28 40.55,113.18 40.55,113.16 40.54,113.14 40.53,113.13 40.52,113.12 40.51,113.11 40.49,113.1 40.46,113.1 40.45,113.1 40.43,113.09 40.42,113.08 40.41,113.06 40.41,113.05 40.4,113.03 40.4,112.93 40.41,112.91 40.41,112.89 40.42,112.88 40.43,112.87 40.45,112.86 40.46,112.85 40.49,112.85 40.51,112.85 40.52,112.84 40.53,112.83 40.54,112.81 40.55,112.8 40.55,112.78 40.55,112.63 40.55,112.62 40.55,112.61 40.54,112.6 40.53,112.59 40.52,112.58 40.51,112.58 40.49,112.58 40.48,112.58 40.47,112.57 40.46,112.56 40.45,112.55 40.45,112.54 40.45,112.53 40.45,112.38 40.45,112.37 40.45,112.36 40.46,112.35 40.47,112.34 40.48,112.33 40.49,112.33 40.51,112.33 40.52,112.33 40.53,112.32 40.54,112.31 40.55,112.3 40.55,112.29 40.55,112.28 40.55,112.13 40.55,112.12 40.55,112.11 40.54,112.1 40.53,112.09 40.52,112.08 40.51,112.08 40.49,112.08 40.48,112.08 40.47,112.07 40.46,112.06 40.45,112.05 40.45,112.04 40.45,112.03 40.45,111.88 40.45,111.87 40.45,111.86 40.46,111.85 40.47,111.84 40.48,111.83 40.49,111.83 40.51,111.83 40.52,111.83 40.53,111.82 40.54,111.81 40.55,111.8 40.55,111.79 40.55,111.78 40.55,111.53 40.55,111.51 40.54,111.49 40.53,111.48 40.52,111.47 40.51,111.46 40.49,111.45 40.46,111.45 40.45,111.45 40.43,111.44 40.42,111.43 40.41,111.41 40.41,111.4 40.4,111.38 40.4,111.28 40.41,111.26 40.41,111.24 40.42,111.23 40.43,111.22 40.45,111.21 40.46,111.2 40.49,111.2 40.51,111.2 40.52,111.19 40.53,111.18 40.54,111.16 40.55,111.15 40.55,111.13 40.55,111.01 40.1,110.56 39.23,110.56 v1(39.12,110.67)
M22_PRX2_N: length 22.7
  Top w0.15: 35.62,107.18 v1(36.08,106.72)